# Altium PCB ESP32-SIM800C routed.PcbDoc (part 2 of 2)
Units mm, origin at the board's own origin, x right, y up, seen from the top; angles counter-clockwise.
Board outline 160.02 x 86.36 mm, 4 copper layers (L1 (TOP), L2 (PWR), L3 (GND), L4 (BOTTOM)), stack 1.586 mm thick; 149 components, 93 nets, 484 pads, 190 vias.
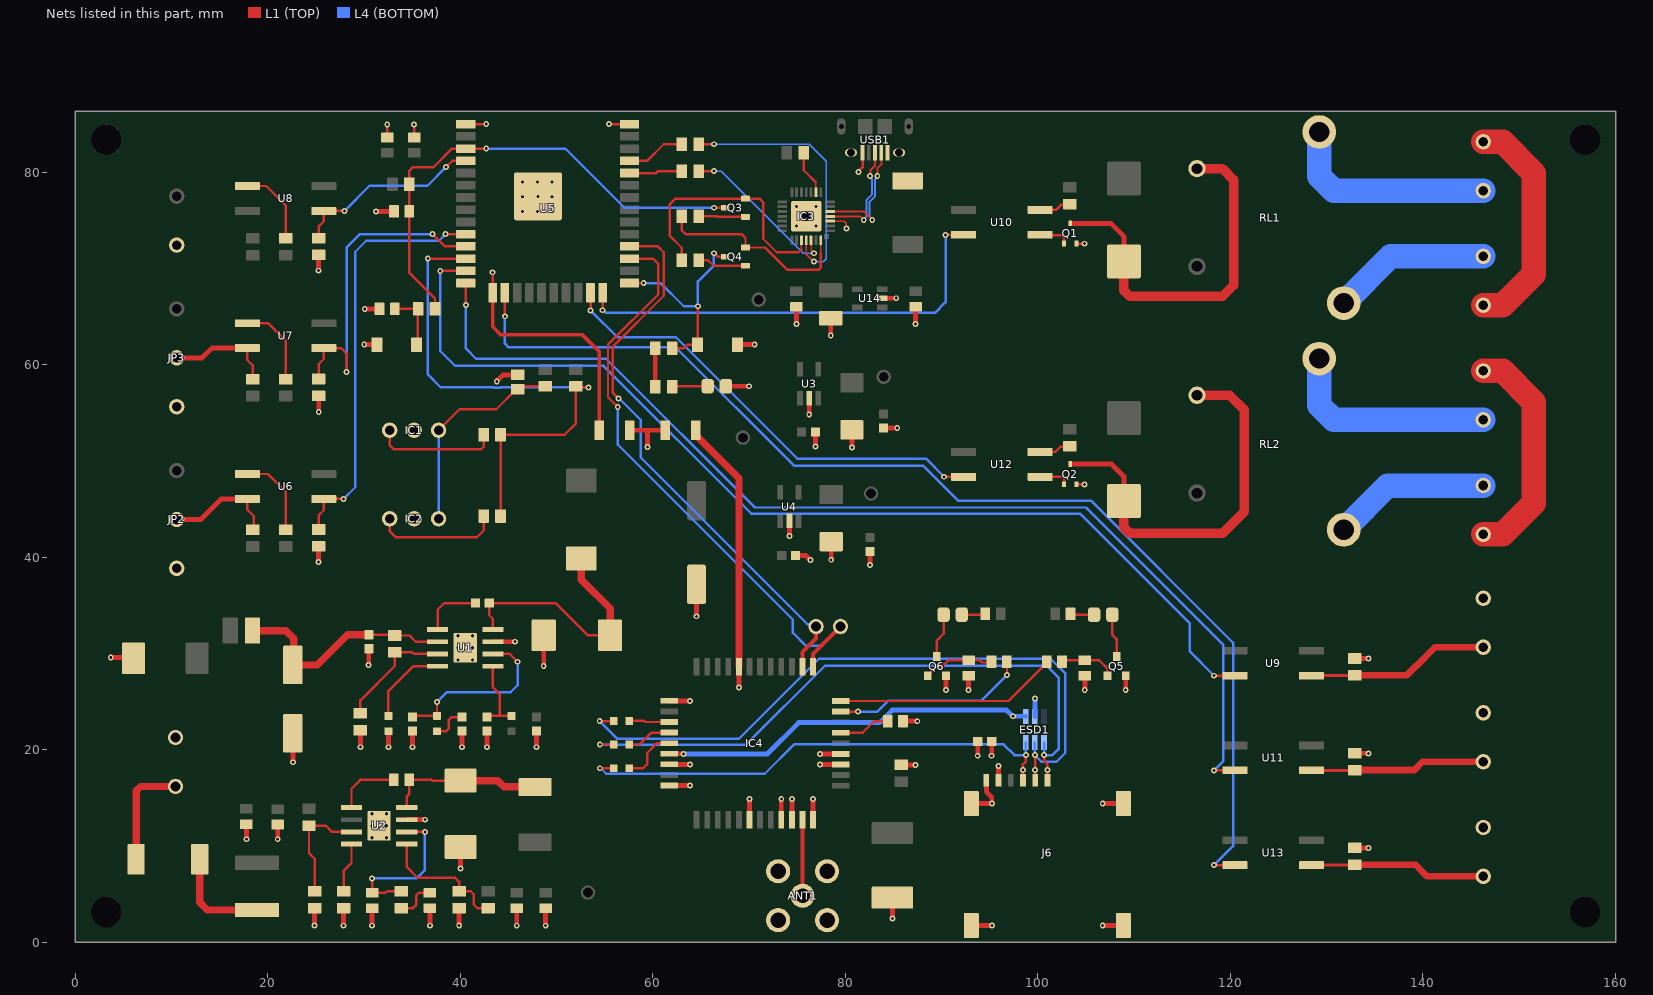
[diagram p4: the nets of this part, all layers, seen from the top]

## Via types
v1: diameter 0.61, hole 0.305, L1 (TOP) to L4 (BOTTOM), tented both sides, 190 vias

## Nets (pads, with @x,y where several pads share a name; then routed paths per layer and width w, separated by ;. In a path a pad name is that pad's centre, name@x,y a point inside that pad or via, vN(x,y) a via of type N, cw(c..) or ccw(c..) an arc to the next point about the centre after c; other vN are vias at no path point) (continued)
D_N: IC3.5 USB1.2 | length 12.3
  L1 (TOP) w0.208: IC3.5@78.446,75.938 78.45,75.942 81.919,75.942 v1(82.804,75.057) ; v1(83.326,79.629) 83.326,80.424 83.743,80.84 USB1.2@83.743,82.06
  L4 (BOTTOM) w0.208: v1(82.804,75.057) 82.804,75.102 82.527,75.38 82.527,76.963 83.106,77.542 83.106,79.306 83.326,79.527 v1(83.326,79.629)
D_P: IC3.4 USB1.3 | length 11.3
  L1 (TOP) w0.208: IC3.4@78.446,75.438 81.534,75.438 v1(81.915,75.057) ; v1(82.55,79.629) 82.618,79.697 82.618,80.245 83.093,80.72 USB1.3@83.093,82.06
  L4 (BOTTOM) w0.208: v1(81.915,75.057) 81.915,75.102 82.192,75.38 82.192,77.102 82.771,77.681 82.771,79.306 82.55,79.527 v1(82.55,79.629)
DGND: C21.1 C22.1 C23.1 C24.2 L4.1 SW1.1 U5.1 U5.15 U5.38 U5.39 | length 37.6
  L1 (TOP) w0.254: v1(32.41,84.988) 32.41,83.655 C21.1@32.436,83.629 ; v1(35.204,84.963) 35.204,83.655 C22.1@35.23,83.629 ; U5.1@40.579,85.014 v1(42.697,85.014) ; U5.15@43.364,67.504 v1(43.364,69.622) ; v1(55.461,85.014) U5.38@57.579,85.014
  L1 (TOP) w0.381: U5.15@43.364,67.504 43.364,63.951 44.196,63.119 52.705,63.119 54.432,61.392 L4.1@54.432,53.213
  L1 (TOP) w0.508: v1(30.023,62.128) 30.035,62.116 31.313,62.116 SW1.1@31.326,62.103 ; v1(30.074,65.811) C24.2@31.603,65.811 ; v1(31.242,75.946) C23.1@33.108,75.946
  other v1: 46.482,75.946 48.006,75.946 49.53,75.946 46.482,77.47 49.53,77.47 48.079,77.514 46.482,78.994 48.006,78.994 49.53,78.994
EN: C23.2 Q3.3 R13.2 R14.2 U5.3 | length 51.8
  L1 (TOP) w0.254: R14.2@37.375,65.811 37.375,66.892 34.708,69.559 C23.2@34.708,75.946 R13.2@34.708,78.765 34.708,80.174 35.052,80.518 37.186,80.518 39.141,82.474 U5.3@40.579,82.474 v1(42.697,82.474) ; v1(66.37,76.327) Q3.3@67.53,76.327
  L4 (BOTTOM) w0.254: v1(42.697,82.474) 50.902,82.474 57.048,76.327 v1(66.37,76.327)
IO0: Q4.3 R33.2 SW2.1 U5.25 | length 22.4
  L1 (TOP) w0.254: U5.25@57.579,68.504 v1(59.055,68.504) ; R33.2@62.005,61.722 63.195,61.722 63.576,62.103 SW2.1@64.643,62.103 64.694,62.154 v1(64.694,66.091) ; v1(66.345,71.603) 66.37,71.577 66.396,71.577 66.726,71.247 Q4.3@67.53,71.247
  L4 (BOTTOM) w0.254: v1(59.055,68.504) 60.808,68.504 63.221,66.091 v1(64.694,66.091) 64.694,68.682 66.345,70.333 v1(66.345,71.603)
NetANT1_1: ANT1.1 IC4.32 | length 7.9
  L1 (TOP) w0.381: IC4.32@75.551,12.751 75.558,12.744 75.558,4.858 ANT1.1@75.565,4.851
NetC1_1: C1.1 U1.1 | length 6.3
  L1 (TOP) w0.254: U1.1@37.638,32.512 37.638,34.565 38.329,35.255 C1.1@41.566,35.255
NetC1_2: C1.2 D1.2 L1.1 U1.8 | length 26.1
  L1 (TOP) w0.254: U1.8@43.388,32.512 43.388,33.625 43.016,33.997 C1.2@43.016,35.255 49.911,35.255 53.264,31.902 D1.2@55.571,31.902
  L1 (TOP) w0.762: L1.1@52.578,39.892 52.578,37.694 55.571,34.701 D1.2@55.571,31.902
NetC2_1: C2.1 C3.2 L2.2 R2.2 U1.2 | length 24
  L1 (TOP) w0.254: C3.2@30.505,31.963 30.509,31.96 33.127,31.96 R2.2@33.198,31.888 34.71,31.888 35.357,31.242 U1.2@37.638,31.242
  L1 (TOP) w0.762: L2.2@18.415,32.385 21.869,32.385 22.682,31.572 22.682,28.899 C2.1@22.606,28.823 25.14,28.823 28.28,31.963 C3.2@30.505,31.963
NetC6_2: C6.2 R3.2 U1.6 | length 18.5
  L1 (TOP) w0.254: C6.2@35.026,23.408 35.151,23.533 R3.2@37.581,23.533 37.581,24.928 37.567,24.943 v1(37.567,24.968) ; U1.6@43.388,29.972 45.136,29.972 v1(45.949,29.159)
  L4 (BOTTOM) w0.254: v1(37.567,24.968) 38.608,26.01 45.237,26.01 45.949,26.721 v1(45.949,29.159)
NetC7_2: C7.2 R3.1 | length 3.7
  L1 (TOP) w0.254: R3.1@37.581,21.933 38.519,21.933 38.811,22.225 38.811,23.114 39.105,23.408 C7.2@40.187,23.408
NetC8_1: C8.1 D3.2 L3.1 U2.8 | length 16.4
  L1 (TOP) w0.254: U2.8@34.447,14.021 34.447,15.169 34.684,15.405 C8.1@34.684,16.891 36.982,16.891 37.063,16.81 D3.2@40.03,16.81
  L1 (TOP) w0.762: D3.2@40.03,16.81 43.896,16.81 44.221,16.485 44.547,16.159 L3.1@47.777,16.159
NetC8_2: C8.2 U2.1 | length 6.7
  L1 (TOP) w0.254: U2.1@28.697,14.021 28.697,15.972 29.616,16.891 C8.2@33.084,16.891
NetC13_2: C13.2 R9.2 U2.6 | length 16.3
  L1 (TOP) w0.254: v1(30.836,6.655) 30.842,6.648 C13.2@30.842,5.155 32.231,5.155 32.396,5.32 R9.2@33.877,5.32 ; U2.6@34.447,11.481 v1(36.322,11.481)
  L4 (BOTTOM) w0.254: v1(30.836,6.655) 35.458,6.655 36.322,7.518 v1(36.322,11.481)
NetC14_2: C14.2 R9.1 | length 4.2
  L1 (TOP) w0.254: R9.1@33.877,3.57 35.091,3.57 35.408,3.886 35.408,4.877 35.686,5.155 C14.2@36.851,5.155
NetC24_1: C24.1 R14.1 SW1.2 | length 6.2
  L1 (TOP) w0.254: C24.1@33.203,65.811 R14.1@35.625,65.811 35.56,65.747 35.56,62.187 SW1.2@35.476,62.103
NetC25_1: C25.1 IC1.1 IC2.1 R21.1 | length 22.2
  L1 (TOP) w0.254: IC1.1@37.744,53.213 39.929,55.397 43.736,55.397 45.799,57.46 C25.1@45.949,57.46 46.262,57.774 R21.1@48.821,57.774
  L4 (BOTTOM) w0.254: IC2.1@37.744,44.018 IC1.1@37.744,53.213
NetD4_1: D4.1 JP1.1 | length 11.4
  L1 (TOP) w0.762: D4.1@6.325,8.636 6.325,15.748 6.782,16.205 JP1.1@10.414,16.205
NetD4_2: D4.2 F1.1 | length 10.7
  L1 (TOP) w0.762: D4.2@12.929,8.636 12.929,4.166 13.728,3.367 F1.1@18.872,3.367
NetD5_1: D5.1 Q1.3 RL1.2 | length 39.1
  L1 (TOP) w0.508: Q1.3@103.378,74.71 107.586,74.71 108.948,73.348 D5.1@108.948,70.752
  L1 (TOP) w1: D5.1@108.948,70.752 108.948,67.718 109.534,67.132 119.202,67.132 120.345,68.275 120.345,79.223 119.177,80.391 RL1.2@116.543,80.391
NetD6_1: D6.1 Q2.3 RL2.2 | length 41.2
  L1 (TOP) w0.508: Q2.3@103.378,49.691 107.662,49.691 108.948,48.405 D6.1@108.948,45.86
  L1 (TOP) w1: D6.1@108.948,45.86 108.948,43.122 109.55,42.52 119.228,42.52 121.437,44.729 121.437,55.347 119.939,56.845 RL2.2@116.543,56.845
NetD8_1: D8.1 R34.2 | length 3.7
  L1 (TOP) w0.254: R34.2@62.005,57.739 62.051,57.785 D8.1@65.699,57.785
NetESD1_4: ESD1.4 J6.3 R42.2 | length 66.2
  L1 (TOP) w0.254: v1@54.508,20.561 R42.2@55.944,20.561 ; v1(100.655,19.456) 100.655,18.852 100.995,18.512 v1(100.995,17.927) ; J6.3@101,16.849 v1@101,17.922
  L4 (BOTTOM) w0.254: v1(54.496,20.549) 69.692,20.549 77.87,28.727 100.94,28.727 102.159,27.508 102.159,20.091 101.524,19.456 v1(100.655,19.456) ; v1@100.65,19.462 ESD1.4@100.65,20.764
NetESD1_5: ESD1.5 J6.7 R43.2 | length 70.7
  L1 (TOP) w0.254: v1(54.483,22.987) 54.496,23 55.931,23 R43.2@55.944,23.012 ; v1(99.705,19.456) 99.715,19.446 99.715,17.937 v1(99.725,17.927) ; J6.7@99.73,16.849 v1@99.73,17.922
  L4 (BOTTOM) w0.254: v1(54.483,22.987) 56.318,21.152 68.93,21.152 77.241,29.464 101.346,29.464 102.87,27.94 102.87,19.71 101.93,18.771 100.371,18.771 99.705,19.437 v1(99.705,19.456) ; v1@99.7,19.462 ESD1.5@99.7,20.764 ; v1@99.713,17.94 v1(99.725,17.927)
NetESD1_6: ESD1.6 J6.2 R41.2 | length 51.7
  L1 (TOP) w0.254: v1@54.508,18.11 R41.2@55.944,18.11 ; J6.2@98.46,16.849 98.455,16.854 98.455,17.927 v1(98.45,17.932) 98.45,18.491 98.755,18.796 v1(98.755,19.456)
  L4 (BOTTOM) w0.254: v1(54.496,18.097) 54.592,18.097 55.163,17.526 71.628,17.526 74.676,20.574 96.444,20.574 97.561,19.456 v1(98.755,19.456) 98.75,19.462 98.75,20.764 ESD1.6@98.745,20.77
NetIC1_3: IC1.3 R25.1 | length 12.8
  L1 (TOP) w0.254: IC1.3@32.664,53.213 32.664,51.664 33.071,51.257 42.189,51.257 42.432,51.5 R25.1@42.432,52.756
NetIC2_3: IC2.3 R26.1 | length 13.1
  L1 (TOP) w0.254: IC2.3@32.664,44.018 32.664,42.748 33.325,42.088 41.707,42.088 42.432,42.813 R26.1@42.432,44.298
NetIC3_9: IC3.9 R37.2 | length 4.6
  L1 (TOP) w0.152: IC3.9@76.946,77.938 76.946,78.959
  L1 (TOP) w0.254: R37.2@75.678,82.042 75.678,80.227 76.946,78.959
NetIC3_25: IC3.25 R36.2 | length 28
  L1 (TOP) w0.152: IC3.25@75.946,72.938 75.946,71.517 76.724,70.739 v1(76.759,70.739)
  L1 (TOP) w0.254: R36.2@64.771,82.931 v1(66.345,82.931)
  L4 (BOTTOM) w0.152: v1(66.345,82.931) 76.251,82.931 78.003,81.178 78.003,71.044 77.699,70.739 v1(76.759,70.739)
NetIC3_26: IC3.26 R35.2 | length 17
  L1 (TOP) w0.152: IC3.26@76.446,72.938 76.446,71.918 76.759,71.605 v1(76.759,71.603)
  L1 (TOP) w0.254: R35.2@64.771,80.137 v1(66.345,80.137)
  L4 (BOTTOM) w0.152: v1(66.345,80.137) 67.107,80.137 75.641,71.603 v1(76.759,71.603)
NetIC4_39: IC4.39 R40.1 | length 5.4
  L1 (TOP) w0.254: IC4.39@79.523,21.785 81.805,21.785 83.007,22.987 R40.1@84.4,22.987
NetJP5_1: JP5.1 JP6.2 | length 23.7
  L1 (TOP) w2.54: JP6.2@146.283,66.199 148.317,66.199 151.536,69.418 151.536,79.934 148.285,83.185 JP5.1@146.283,83.185
NetJP5_2: JP5.2 RL1.3 | length 22.3
  L4 (BOTTOM) w2.54: RL1.3@129.243,84.201 129.243,79.593 130.73,78.105 JP5.2@146.283,78.105
NetJP6_1: JP6.1 RL1.4 | length 16.5
  L4 (BOTTOM) w2.54: RL1.4@131.783,66.421 136.641,71.279 JP6.1@146.283,71.279
NetJP7_1: JP7.1 JP8.2 | length 23.7
  L1 (TOP) w2.54: JP8.2@146.283,42.388 148.317,42.388 151.536,45.607 151.536,56.122 148.285,59.373 JP7.1@146.283,59.373
NetJP7_2: JP7.2 RL2.3 | length 22.5
  L4 (BOTTOM) w2.54: RL2.3@129.243,60.655 129.243,55.781 130.73,54.293 JP7.2@146.283,54.293
NetJP8_1: JP8.1 RL2.4 | length 16.4
  L4 (BOTTOM) w2.54: RL2.4@131.783,42.875 136.375,47.468 JP8.1@146.283,47.468
NetLED1_1: LED1.1 R44.2 | length 2.5
  L1 (TOP) w0.254: R44.2@103.401,34.135 103.487,34.049 LED1.1@105.842,34.049
NetLED1_2: LED1.2 Q5.3 | length 4.5
  L1 (TOP) w0.254: LED1.2@107.742,34.049 107.742,31.958 108.189,31.511 Q5.3@108.189,29.702
NetLED2_1: LED2.1 R45.2 | length 2.5
  L1 (TOP) w0.254: LED2.1@92.111,34.049 94.466,34.049 R45.2@94.552,34.135
NetLED2_2: LED2.2 Q6.3 | length 4.6
  L1 (TOP) w0.254: Q6.3@89.51,29.702 89.51,31.369 90.211,32.07 LED2.2@90.211,34.049
NETLIGHT: IC4.41 R47.1 | length 20.2
  L1 (TOP) w0.254: IC4.41@79.523,23.985 79.526,23.981 81.302,23.981 v1(81.305,23.978) ; R47.1@96.787,29.172 96.799,29.159 v1(96.799,27.788)
  L4 (BOTTOM) w0.254: v1(81.305,23.978) 83.337,23.978 84.455,25.095 94.107,25.095 v1(96.799,27.788)
NetQ1_1: Q1.1 U10.3 | length 3.2
  L1 (TOP) w0.254: U10.3@100.241,73.508 100.267,73.482 102.438,73.482 102.728,73.192 Q1.1@102.728,72.61
NetQ2_1: Q2.1 U12.3 | length 3.1
  L1 (TOP) w0.254: U12.3@100.241,48.362 102.108,48.362 102.489,48.362 102.728,48.123 Q2.1@102.728,47.591
NetQ3_2: Q3.2 R38.1 | length 4.9
  L1 (TOP) w0.254: R38.1@64.756,75.438 66.65,75.438 66.711,75.377 Q3.2@69.63,75.377
NetQ4_2: Q4.2 R39.1 | length 5.1
  L1 (TOP) w0.254: R39.1@64.756,70.866 65.761,70.866 66.33,70.297 Q4.2@69.63,70.297
NetQ5_1: Q5.1 R46.2 R48.1 | length 5.9
  L1 (TOP) w0.254: R46.2@102.512,29.172 102.642,29.302 R48.1@104.887,29.302 106.385,29.302 107.239,28.448 Q5.1@107.239,27.702
NetQ6_1: Q6.1 R47.2 R49.1 | length 7.4
  L1 (TOP) w0.254: Q6.1@88.56,27.702 88.56,27.712 89.448,28.6 89.992,28.6 90.694,29.302 R49.1@92.812,29.302 93.99,29.302 94.209,29.083 95.098,29.083 R47.2@95.187,29.172
NetR1_1: R1.1 R4.2 U1.5 | length 8.1
  L1 (TOP) w0.254: R4.2@42.768,23.408 42.893,23.533 44.109,23.533 ; U1.5@43.388,28.702 43.388,26.487 44.109,25.767 44.109,23.533 ; R1.1@45.324,23.533 44.109,23.533
NetR2_1: R2.1 R5.2 U1.3 | length 12.3
  L1 (TOP) w0.254: R5.2@29.616,23.798 29.616,25.146 33.198,28.727 R2.1@33.198,30.138 35.013,30.138 35.179,29.972 U1.3@37.638,29.972
NetR6_1: R6.1 U1.4 | length 8.8
  L1 (TOP) w0.254: R6.1@32.537,23.533 32.537,26.111 35.128,28.702 U1.4@37.638,28.702
NetR7_1: R7.1 R10.2 U2.5 | length 13.8
  L1 (TOP) w0.254: U2.5@34.447,10.211 34.447,7.844 35.585,6.706 39.472,6.706 39.886,6.291 R10.2@39.886,5.32 41.086,5.32 41.402,5.004 41.402,3.937 41.769,3.57 R7.1@42.89,3.57
NetR8_1: R8.1 R11.2 U2.3 | length 11.7
  L1 (TOP) w0.254: R11.2@24.863,5.32 24.863,8.69 24.282,9.271 R8.1@24.282,12.13 24.296,12.116 26.035,12.116 26.67,11.481 U2.3@28.697,11.481
NetR12_1: R12.1 U2.4 | length 5.2
  L1 (TOP) w0.254: R12.1@27.878,5.305 27.878,7.431 28.697,8.25 U2.4@28.697,10.211
NetR16_1: R16.1 U6.1 | length 8.7
  L1 (TOP) w0.254: U6.1@17.869,48.666 20.016,48.666 21.862,46.82 R16.1@21.862,42.886
NetR18_1: R18.1 U7.1 | length 8.7
  L1 (TOP) w0.254: U7.1@17.869,64.338 20.041,64.338 21.862,62.517 R18.1@21.862,58.518
NetR19_2: R19.2 U5.10 U6.3 | length 43.9
  L1 (TOP) w0.254: R19.2@25.273,42.901 25.273,44.348 25.819,44.894 U6.3@25.819,46.076 v1(27.864,46.076) ; v1(38.481,73.584) U5.10@40.579,73.584
  L4 (BOTTOM) w0.254: v1(27.864,46.076) 29.083,47.295 29.083,71.755 30.226,72.898 37.795,72.898 v1(38.481,73.584)
NetR20_2: R20.2 U5.11 U7.3 | length 34.4
  L1 (TOP) w0.254: R20.2@25.273,58.533 25.273,60.071 25.819,60.617 U7.3@25.819,61.748 27.635,61.748 28.194,61.189 v1(28.194,59.258) ; v1@37.109,73.615 38.41,72.314 U5.11@40.579,72.314
  L4 (BOTTOM) w0.254: v1(28.194,59.258) 28.194,72.187 29.591,73.584 v1(37.109,73.584)
NetR23_1: R23.1 U8.1 | length 8.2
  L1 (TOP) w0.254: U8.1@17.869,78.587 19.838,78.587 21.862,76.563 R23.1@21.862,73.163
NetR24_1: R24.1 R25.2 R26.2 U5.12 | length 55.3
  L1 (TOP) w0.254: v1(36.627,71.044) U5.12@40.579,71.044 ; R26.2@44.182,44.298 R25.2@44.182,52.756 50.851,52.756 52.019,53.924 R24.1@52.019,57.774 52.135,57.658 v1(53.34,57.658)
  L4 (BOTTOM) w0.254: v1(36.627,71.044) 36.627,59.004 37.973,57.658 43.457,57.658 43.508,57.607 44.076,57.607 44.127,57.658 v1(53.34,57.658)
NetR27_2: R27.2 U5.4 U8.3 | length 20
  L1 (TOP) w0.254: R27.2@25.273,73.178 25.273,74.371 25.819,74.917 U8.3@25.819,75.997 v1(27.965,75.997) ; v1(38.506,80.543) 39.167,81.204 U5.4@40.579,81.204
  L4 (BOTTOM) w0.254: v1(27.965,75.997) 30.582,78.613 36.576,78.613 v1(38.506,80.543)
NetR28_1: R28.1 U10.4 | length 3.3
  L1 (TOP) w0.254: U10.4@100.241,76.098 101.879,76.098 102.406,76.625 103.255,76.625 R28.1@103.338,76.708
NetR30_1: R30.1 U12.4 | length 3.3
  L1 (TOP) w0.254: U12.4@100.241,50.952 101.803,50.952 102.337,51.486 103.262,51.486 R30.1@103.338,51.562
NetR35_1: R35.1 U5.34 | length 5.5
  L1 (TOP) w0.254: U5.34@57.579,79.934 60.325,79.934 60.528,80.137 R35.1@63.021,80.137
NetR36_1: R36.1 U5.35 | length 6.2
  L1 (TOP) w0.254: U5.35@57.579,81.204 59.411,81.204 61.138,82.931 R36.1@63.021,82.931
NetU5_13: U5.13 U9.2 | length 109.2
  L1 (TOP) w0.254: v1(37.922,69.774) U5.13@40.579,69.774 ; v1(118.313,27.711) 118.317,27.715 120.488,27.715 U9.2@120.492,27.72
  L4 (BOTTOM) w0.254: v1(37.922,69.774) 37.922,61.443 39.472,59.893 54.889,59.893 70.231,44.552 104.394,44.552 115.799,33.147 115.799,30.226 v1(118.313,27.711)
NetU5_14: U5.14 U11.2 | length 113.8
  L1 (TOP) w0.254: v1(40.579,66.205) U5.14@40.579,68.504 ; v1@118.317,17.873 U11.2@120.488,17.873
  L4 (BOTTOM) w0.254: v1(40.579,66.205) 40.579,61.707 41.656,60.63 55.169,60.63 70.612,45.187 105.004,45.187 119.253,30.937 119.253,18.809 v1(118.313,17.869)
NetU5_16: U5.16 U13.2 | length 119.9
  L1 (TOP) w0.254: v1(44.628,65.049) 44.628,67.498 U5.16@44.634,67.504 ; v1@118.317,8.03 U13.2@120.488,8.03
  L4 (BOTTOM) w0.254: v1(44.628,65.049) 44.628,62.205 45.009,61.824 62.382,61.824 74.676,49.53 88.087,49.53 91.745,45.872 105.562,45.872 120.294,31.14 120.294,10.008 v1(118.313,8.026)
NetU5_23: U5.23 U12.2 | length 47.7
  L1 (TOP) w0.254: U5.23@53.524,67.504 53.543,67.485 v1(53.543,65.659) ; v1(90.259,48.375) U12.2@92.278,48.375
  L4 (BOTTOM) w0.254: v1(53.543,65.659) 56.312,62.89 62.382,62.89 75.006,50.267 88.367,50.267 v1(90.259,48.375)
NetU5_24: U5.24 U10.2 | length 46.9
  L1 (TOP) w0.254: v1(54.794,65.678) U5.24@54.794,67.504 ; v1(90.424,73.508) U10.2@92.291,73.508
  L4 (BOTTOM) w0.254: v1(54.794,65.678) 54.847,65.678 55.121,65.405 89.306,65.405 90.424,66.523 v1(90.424,73.508)
OUT1: JP9.2 R29.2 U9.3 | length 19.1
  L1 (TOP) w0.3: U9.3@128.442,27.72 132.912,27.72 R29.2@132.944,27.751
  L1 (TOP) w0.7: R29.2@132.944,27.751 138.317,27.751 139.294,28.727 139.344,28.727 141.29,30.673 JP9.2@146.283,30.673
OUT2: JP10.2 R31.2 U11.3 | length 18.2
  L1 (TOP) w0.3: U11.3@128.442,17.877 132.912,17.877 R31.2@132.944,17.908
  L1 (TOP) w0.7: R31.2@132.944,17.908 139.117,17.908 139.978,18.769 JP10.2@146.283,18.769
OUT3: JP11.2 R32.2 U13.3 | length 18.4
  L1 (TOP) w0.3: U13.3@128.442,8.035 132.912,8.035 R32.2@132.944,8.066
  L1 (TOP) w0.7: R32.2@132.944,8.066 139.254,8.066 140.456,6.864 JP11.2@146.283,6.864
PGND: C2.2 C3.1 C4.2 C5.1 C6.1 C7.1 C9.1 C10.1 C11.1 C12.1 C13.1 C14.1 C15.2 C16.1 C17.1 C18.2 C19.1 C20.1 C25.2 C26.2 C27.1 C28.1 D1.1 D2.1 D3.1 D8.2 IC1.2 IC2.2 IC3.3 IC3.29 JP1.2 JP2.1 JP3.1 JP4.1 JP9.1 JP10.1 JP11.1 L4.2 L5.2 Q1.2 Q2.2 R4.1 R5.1 R6.2 R10.1 R11.1 R12.2 R19.1 R20.1 R27.1 R29.1 R31.1 R32.1 SW2.2 U1.7 U1.9 U2.7 U2.9 U3.2 U4.2 U14.2 USB1.5 USB1.6 USB1.7 | length 93.2
  L1 (TOP) w0.152: IC3.3@78.466,74.918 IC3.3@78.446,74.938 79.875,74.938 80.112,74.701 80.112,74.193 v1(80.137,74.168)
  L1 (TOP) w0.254: D2.1@5.988,29.591 D2.1@6.064,29.515 ; R20.1@25.273,56.783 R20.1@25.298,56.758 ; v1(81.382,80.035) 81.382,80.132 81.793,80.543 USB1.5@81.793,82.06 ; Q2.2@104.028,47.591 104.834,47.591 v1(104.851,47.574) ; Q1.2@104.028,72.61 v1@104.834,72.61
  L1 (TOP) w0.508: v1(3.683,29.591) D2.1@5.988,29.591 ; v1(17.78,10.719) C10.1@17.78,12.281 ; v1(21.031,10.719) C11.1@21.031,12.239 ; C2.2@22.606,21.723 22.631,21.698 v1(22.631,18.72) ; R11.1@24.863,3.57 24.863,1.756 v1(24.867,1.753) ; v1(25.273,39.511) R19.1@25.273,41.151 ; v1(25.273,69.789) R27.1@25.273,71.428 ; v1(25.298,55.118) R20.1@25.298,56.758 ; v1@27.878,1.741 R12.2@27.878,3.555 ; v1(29.616,20.281) R5.1@29.616,22.048 ; v1(30.48,28.804) 30.493,28.816 30.493,30.501 C3.1@30.505,30.513 ; v1@30.842,1.741 C13.1@30.842,3.555 ; v1(32.537,20.281) R6.2@32.537,21.933 ; U2.7@34.447,12.751 v1(36.347,12.751) ; v1@35.026,20.306 C6.1@35.026,21.958 ; v1@36.851,1.741 C14.1@36.851,3.555 ; v1@39.886,1.756 R10.1@39.886,3.57 ; v1(40.005,7.696) 40.005,9.885 D3.1@40.03,9.91 ; v1(40.187,20.281) C7.1@40.187,21.958 ; v1(42.768,20.281) R4.1@42.768,21.958 ; U1.7@43.388,31.242 v1(45.669,31.242) ; v1(43.792,58.293) 44.455,58.957 45.945,58.957 C25.2@45.949,58.96 ; v1@45.865,1.741 C9.1@45.865,3.555 ; v1(47.93,20.281) C5.1@47.93,21.958 ; v1(48.666,28.727) 48.671,28.732 D1.1@48.671,31.902 ; v1@48.87,1.741 C12.1@48.87,3.555 ; L4.2@57.616,53.213 59.453,53.213 ; v1(59.436,51.486) 59.453,51.503 59.453,53.213 ; L5.2@61.29,53.213 59.453,53.213 ; v1(64.541,33.884) C4.2@64.541,37.204 ; D8.2@67.599,57.785 v1(70.002,57.785) ; SW2.2@68.793,62.103 v1(70.587,62.103) ; v1(74.193,42.24) U4.2@74.193,43.788 ; C19.1@74.843,40.185 75.918,40.185 v1(76.378,39.726) ; v1(74.93,64.25) C27.1@74.93,66.044 ; v1(76.251,54.839) U3.2@76.251,56.539 ; C16.1@76.901,53.038 76.906,53.032 76.906,51.516 v1(76.911,51.511) ; v1(78.486,63.05) C26.2@78.486,64.844 ; v1(78.537,39.751) C18.2@78.537,41.64 ; C15.2@80.682,53.255 80.696,53.241 v1(80.696,51.41) ; v1(82.55,39.218) v1(82.55,39.218) 82.551,40.625 C20.1@82.552,40.626 ; U14.2@83.85,66.919 83.855,66.924 85.288,66.924 v1(85.293,66.929) ; C17.1@83.984,53.456 83.991,53.449 85.388,53.449 v1(85.395,53.442) ; v1(87.3,64.25) C28.1@87.3,66.044 ; R32.1@132.951,9.809 v1@134.347,9.809 ; R31.1@132.951,19.651 v1@134.347,19.651 ; R29.1@132.951,29.494 v1@134.347,29.494
  other v1: 27.881,1.738 30.846,1.738 36.855,1.738 45.868,1.738 48.873,1.738 39.889,1.753 134.354,9.802 134.354,19.644 35.026,20.281 134.354,29.487 104.851,72.593 74.93,74.422 76.962,74.422 74.93,76.454 76.962,76.454
SENSOR1: JP2.2 R15.1 U6.2 | length 11.7
  L1 (TOP) w0.254: U6.2@17.869,46.076 17.869,44.971 18.542,44.298 18.542,42.987 R15.1@18.44,42.886
  L1 (TOP) w0.508: JP2.2@10.541,43.942 13.056,43.942 15.19,46.076 U6.2@17.869,46.076
SENSOR2: JP3.2 R17.1 U7.2 | length 11.2
  L1 (TOP) w0.254: U7.2@17.869,61.748 17.869,60.515 18.44,59.944 R17.1@18.44,58.518
  L1 (TOP) w0.508: JP3.2@10.541,60.736 13.162,60.736 14.174,61.748 U7.2@17.869,61.748
SGND: ANT1.2 ANT1.3 ANT1.4 ANT1.5 C29.2 C30.2 C31.2 ESD1.2 IC4.8 IC4.13 IC4.19 IC4.21 IC4.27 IC4.30 IC4.31 IC4.33 IC4.36 IC4.37 J6.5 L5.1 Q5.2 Q6.2 R40.2 R48.2 R49.2 | length 73.5
  L1 (TOP) w0.508: IC4.21@61.701,16.301 v1(63.85,16.301) ; IC4.19@61.701,18.501 v1(63.85,18.501) ; IC4.13@61.701,25.101 v1(63.85,25.101) ; IC4.8@68.951,28.651 68.961,28.641 v1(68.961,26.492) ; IC4.27@70.051,12.751 v1(70.051,14.9) ; IC4.30@73.351,12.751 v1(73.351,14.9) ; IC4.31@74.451,12.751 v1(74.451,14.9) ; IC4.33@76.651,12.751 v1(76.651,14.9) ; v1(77.374,18.485) IC4.36@79.523,18.485 ; v1(77.374,19.585) IC4.37@79.523,19.585 ; v1(84.887,2.502) C30.2@84.887,4.651 ; C29.2@85.801,18.452 v1@87.276,18.452 ; R40.2@86,22.987 v1@87.474,22.987 ; v1@90.46,26.227 Q6.2@90.46,27.702 ; v1@92.812,26.227 R49.2@92.812,27.702 ; J6.5@93.09,1.744 v1(95.24,1.744) ; J6.5@93.09,14.424 v1(95.24,14.424) 95.22,14.443 95.22,15.092 94.65,15.662 J6.5@94.65,16.849 ; v1@93.763,19.404 C31.2@93.763,20.879 ; v1@104.887,26.227 R48.2@104.887,27.702 ; v1(106.741,1.744) J6.5@108.89,1.744 ; v1(106.741,14.424) J6.5@108.89,14.424 ; v1@109.139,26.227 Q5.2@109.139,27.702
  L1 (TOP) w0.762: L5.1@64.474,53.213 64.474,52.713 68.951,48.236 IC4.8@68.951,28.651
  L4 (BOTTOM) w0.508: ESD1.2@99.695,23.47 99.708,23.482 99.708,25.311 v1(99.72,25.324)
  other v1: 87.283,18.444 93.755,19.397 87.482,22.979 90.452,26.22 92.804,26.22 104.879,26.22 109.131,26.22
SIM-CLK: IC4.16 R42.1 | length 4.7
  L1 (TOP) w0.254: R42.1@57.544,20.561 58.636,20.561 59.876,21.801 IC4.16@61.701,21.801
SIM-DATA: IC4.15 R43.1 | length 4.2
  L1 (TOP) w0.254: R43.1@57.544,23.012 59.106,23.012 59.217,22.901 IC4.15@61.701,22.901
SIM-RST: IC4.17 R41.1 | length 5.9
  L1 (TOP) w0.254: R41.1@57.544,18.11 59.004,18.11 59.411,18.517 59.411,19.66 60.452,20.701 IC4.17@61.701,20.701
SIM-VDD: C31.1 ESD1.1 IC4.18 J6.1 | length 42.2
  L1 (TOP) w0.508: IC4.18@61.701,19.601 v1@63.176,19.601 ; v1@95.213,19.404 C31.1@95.213,20.879 ; J6.1@95.92,16.849 95.928,16.857 95.928,18.331 v1(95.936,18.339)
  L4 (BOTTOM) w0.508: v1(63.184,19.593) 71.917,19.593 75.159,22.835 83.566,22.835 84.861,24.13 96.747,24.13 97.382,23.495 98.72,23.495 ESD1.1@98.745,23.47
  other v1: 95.205,19.397 97.409,23.495
SIM_RX: GSM1.2 IC4.2 U5.28 | length 58.8
  L1 (TOP) w0.254: v1(56.439,56.515) 55.855,57.099 55.855,61.9 61.138,67.183 61.138,71.704 60.528,72.314 U5.28@57.579,72.314
  L1 (TOP) w0.381: IC4.2@75.551,28.651 75.551,30.162 76.962,31.572 GSM1.2@76.962,32.817
  L4 (BOTTOM) w0.254: v1(56.439,56.515) 56.52,56.515 58.75,54.284 58.75,50.368 76.051,33.068 76.711,33.068 GSM1.2@76.962,32.817
SIM_TX: GSM1.1 IC4.1 U5.27 | length 64
  L1 (TOP) w0.254: v1(56.358,55.626) 55.347,56.637 55.347,62.11 60.579,67.343 60.579,70.485 60.02,71.044 U5.27@57.579,71.044
  L1 (TOP) w0.381: IC4.1@76.651,28.651 76.651,29.966 GSM1.1@79.502,32.817
  L4 (BOTTOM) w0.254: v1(56.358,55.626) 56.358,51.719 74.552,33.525 74.552,32.179 75.917,30.814 77.499,30.814 GSM1.1@79.502,32.817 79.541,33.479 79.541,33.487 GSM1.1@79.541,33.502
STATUS: IC4.42 R46.1 | length 23.2
  L1 (TOP) w0.254: IC4.42@79.523,25.085 96.975,25.085 100.912,29.022 R46.1@100.912,29.172
USB3V3: R33.1 R34.1 | length 4
  L1 (TOP) w0.508: R34.1@60.255,57.739 R33.1@60.255,61.722
USB_DTR: IC3.28 Q4.1 R38.2 | length 21.1
  L1 (TOP) w0.152: 77.445,71.603 77.445,72.937 IC3.28@77.446,72.938
  L1 (TOP) w0.254: R38.2@63.006,75.438 63.006,73.976 63.398,73.584 69.215,73.584 69.63,73.169 Q4.1@69.63,72.197 71.661,72.197 73.983,69.875 77.216,69.875 77.445,70.104 77.445,71.603
USB_RTS: IC3.24 Q3.1 R39.2 | length 25.9
  L1 (TOP) w0.152: 75.446,71.992 IC3.24@75.446,72.938
  L1 (TOP) w0.254: R39.2@63.006,70.866 63.006,72.173 61.747,73.431 61.747,76.683 62.342,77.277 Q3.1@69.63,77.277 71.084,77.277 71.476,76.886 71.476,73.101 72.873,71.704 75.159,71.704 75.446,71.992
VCCUSB: D7.1 USB1.1
pads on no net: ESD1.3 hole1.1 hole2.1 hole3.1 hole4.1 IC3. IC3.1 IC3.2 IC3.10 IC3.11 IC3.12 IC3.13 IC3.14 IC3.15 IC3.16 IC3.17 IC3.18 IC3.19 IC3.20 IC3.21 IC3.22 IC3.23 IC3.27 IC4.3 IC4.4 IC4.5 IC4.6 IC4.7 IC4.9 IC4.10 IC4.11 IC4.12 IC4.14 IC4.20 IC4.22 IC4.23 IC4.24 IC4.25 IC4.26 IC4.28 IC4.29 IC4.38 IC4.40 J6.6 U3.4 U4.4 U5.5 U5.6 U5.7 U5.8 U5.9 U5.17 U5.18 U5.19 U5.20 U5.21 U5.22 U5.26 U5.29 U5.30 U5.31 U5.32 U5.33 U5.36 U5.37 U14.4 USB1. USB1.4 USB1.8 USB1.9

## Polygon pours and split planes (outlines as drawn)
3.3V_ESP on L1 (TOP) "3.3V_ESP_L01_P025" (solid, pour order 25): 77.953,77.089 79.883,77.089 80.188,77.394 80.823,77.394 80.975,77.241 80.975,76.657 80.62,76.302 77.953,76.302
PGND on L1 (TOP) "PGND_L01_P044" (solid, remove dead copper, pour order 44): 77.978,75.057 80.01,75.057 80.518,74.549 80.518,74.041 80.264,73.787 80.01,73.787 79.756,74.041 79.756,74.676 79.629,74.803 77.978,74.803
12V on L1 (TOP) "12V_L01_P043" (solid, pour order 43): 16.942,33.757 16.942,36.5 18.542,38.1 22.225,38.1 22.733,38.608 22.733,41.529 22.479,41.783 17.653,41.783 14.503,38.633 14.503,33.731 16.916,33.731
12V on L1 (TOP) "12V_L01_P041" (solid, pour order 41): 9.652,50.546 10.668,51.562 12.73,51.562 15.24,54.072 15.24,56.134 16.383,57.277 22.479,57.277 22.733,57.023 22.733,51.054 21.844,50.165 14.224,50.165 12.162,48.103 10.033,48.103 9.652,48.484
12V on L1 (TOP) "12V_L01_P040" (solid, pour order 40): 9.652,66.929 10.414,67.691 13.843,67.691 15.24,69.088 15.24,71.247 16.002,72.009 22.479,72.009 22.86,71.628 22.86,66.294 22.225,65.659 12.192,65.659 11.43,64.897 10.033,64.897 9.652,65.278
12V on L1 (TOP) "12V_L01_P039" (solid, pour order 39): 11.049,31.039 11.455,31.445 14.072,31.445 14.503,31.877 14.503,33.731 14.808,34.036 16.662,34.036 16.942,33.757 16.942,28.499 16.053,27.61 11.557,27.61 11.049,28.118
5V on L1 (TOP) "5V_L01_P021" (solid, pour order 21): 42.342,4.648 42.164,4.826 42.164,5.969 42.291,6.096 44.323,6.096 44.729,6.502 44.729,10.922 45.237,11.43 53.315,11.43 54.229,10.516 54.229,4.715 53.736,4.191 52.807,4.191 52.349,4.648
5V on L1 (TOP) "5V_L01_P037" (solid, pour order 37): 127.584,11.1 130.785,11.1 130.937,10.947 130.937,10.363 130.759,10.185 127.584,10.185
5V on L1 (TOP) "5V_L01_P036" (solid, pour order 36): 127.584,20.942 130.785,20.942 130.937,20.79 130.937,20.206 130.759,20.028 127.584,20.028
5V on L1 (TOP) "5V_L01_P035" (solid, pour order 35): 127.584,30.785 130.785,30.785 130.937,30.632 130.937,30.048 130.759,29.87 127.584,29.87
4.4V on L1 (TOP) "4.4V_L01_P034" (solid, pour order 34): 45.776,22.352 45.776,20.224 45.598,20.046 45.014,20.046 44.836,20.224 44.836,22.352
4.4V on L1 (TOP) "4.4V_L01_P033" (solid, pour order 33): 47.473,22.987 47.473,25.273 47.65,25.451 48.235,25.451 48.412,25.273 48.412,22.962 47.473,22.962 47.447,22.987
4.4V on L1 (TOP) "4.4V_L01_P032" (solid, pour order 32): 68.453,52.832 73.609,57.988 75.616,57.988 75.616,53.797 75.946,53.467 75.946,52.578 75.057,51.689 68.834,51.689 68.453,52.07
4.4V on L1 (TOP) "4.4V_L01_P017" (solid, pour order 17): 71.145,39.218 71.145,44.552 73.559,44.552 73.559,41.047 73.864,40.742 73.864,39.421 73.66,39.218
4.4V on L1 (TOP) "4.4V_L01_P018" (solid, pour order 18): 71.145,45.238 75.21,45.238 75.464,44.984 75.464,43.054 75.413,43.003 74.905,43.003 74.829,43.079 74.829,44.806 74.727,44.908 73.711,44.908 73.559,44.806 73.559,44.73 73.559,44.146 71.145,44.146
5V on L1 (TOP) "5V_L01_P031" (solid, pour order 31): 83.236,66.218 83.287,66.269 84.455,66.269 84.506,66.218 84.506,64.364 84.125,63.983 83.591,63.983 83.236,64.338
5V on L1 (TOP) "5V_L01_P030" (solid, pour order 30): 102.558,77.876 102.558,78.969 102.685,79.096 105.86,79.096 106.749,79.985 106.749,81.001 107.13,81.382 110.49,81.382 117.544,74.328 117.544,72.365 117.544,69.741 117.018,69.215 116.205,69.215 107.975,77.445 107.384,77.445 106.749,77.876
5V on L1 (TOP) "5V_L01_P029" (solid, pour order 29): 102.616,52.756 102.616,53.848 102.743,53.975 105.918,53.975 106.807,54.864 106.807,55.88 107.315,56.388 110.617,56.388 117.602,49.403 117.602,47.244 117.602,45.847 117.348,45.593 115.951,45.593 109.22,52.324 107.442,52.324 106.807,52.756
5V on L1 (TOP) "5V_L01_P028" (solid, pour order 28): 83.312,67.564 83.312,69.113 84.303,69.113 84.836,69.647 84.836,73.406 84.963,73.533 88.011,73.533 88.138,73.406 88.138,67.183 88.011,67.056 86.741,67.056 86.233,67.564
5V on L1 (TOP) "5V_L01_P024" (solid, pour order 24): 77.292,77.445 78.537,77.445 79.248,78.156 79.248,79.883 79.096,80.035 78.638,80.035 78.486,79.883 78.486,78.74 78.181,78.435 77.292,78.435
4.4V on L1 (TOP) "4.4V_L01_P020" (solid, pour order 20): 95.656,34.773 95.758,34.874 102.21,34.874 102.311,34.773 102.311,33.503 102.235,33.426 95.733,33.426 95.656,33.503
4.4V on L1 (TOP) "4.4V_L01_P019" (solid, pour order 19): 50.8,49.022 51.308,49.53 65.405,49.53 66.294,48.641 66.294,44.323 65.532,43.561 63.373,43.561 60.452,46.482 51.181,46.482 50.8,46.863
4.4V on L1 (TOP) "4.4V_L01_P016" (solid, pour order 16): 75.006,57.861 75.133,57.988 77.267,57.988 77.521,57.734 77.521,55.804 77.47,55.753 76.962,55.753 76.886,55.829 76.886,57.556 76.784,57.658 75.768,57.658 75.616,57.556 75.616,57.48 75.616,56.896 75.006,56.896
3.3V_ESP on L1 (TOP) "3.3V_ESP_L01_P012" (solid, pour order 12): 24.562,78.054 24.384,78.232 24.384,79.248 24.765,79.629 31.115,79.629 31.369,79.883 31.369,82.55 31.496,82.677 37.592,82.677 39.116,84.201 41.529,84.201 41.529,83.312 38.989,83.312 37.211,81.534 34.163,81.534 33.528,80.899 33.528,78.054
3.3V_ESP on L1 (TOP) "3.3V_ESP_L01_P010" (solid, pour order 10): 48.006,59.944 48.133,60.071 53.254,60.071 53.254,58.979 48.082,58.979 48.006,59.055
3.3V_ESP on L1 (TOP) "3.3V_ESP_L01_P009" (solid, pour order 9): 74.168,68.072 74.295,68.199 76.962,68.199 77.343,68.58 79.756,68.58 79.883,68.453 79.883,67.31 80.899,66.294 81.788,66.294 81.788,65.659 80.645,65.659 79.375,66.929 77.343,66.929 77.114,67.158 74.32,67.158 74.168,67.31
3.3V_ESP on L1 (TOP) "3.3V_ESP_L01_P008" (solid, pour order 8): 83.236,54.432 84.746,54.432 84.746,58.092 84.746,59.145 84.404,59.487 79.451,59.487 79.451,57.15 82.513,57.15 83.236,56.427
3.3V_ESP on L1 (TOP) "3.3V_ESP_L01_P007" (solid, pour order 7): 82.042,41.656 83.058,41.656 83.058,45.593 83.439,45.974 83.439,46.965 82.88,47.523 77.318,47.523 77.318,45.517 80.721,45.517 82.042,44.196
SIM-VDD on L1 (TOP) "SIM-VDD_L01_P005" (solid, pour order 5): 94.615,18.796 95.606,17.632 95.606,16.18 96.241,16.18 96.241,20.041 99.06,22.86 99.06,24.13 98.933,24.257 97.155,24.257 94.615,21.717 94.615,21.209 94.615,21.717 94.615,21.209
VCCUSB on L1 (TOP) "VCCUSB_L01_P004" (solid, pour order 4): 84.201,82.855 84.201,78.867 84.963,78.105 88.138,78.105 88.138,80.01 85.725,80.01 84.582,81.153 84.582,82.855
4.4V on L1 (TOP) "4.4V_L01_P002" (solid, pour order 2): 82.677,10.287 82.677,13.843 80.772,15.748 78.74,15.748 78.486,16.002 78.486,17.653 78.613,17.78 81.153,17.78 81.661,17.272 86.512,17.272 87.122,16.662 87.122,10.287 86.995,10.16 82.804,10.16
12V on L1 (TOP) "12V_L01_P001" (solid, pour order 1): 21.184,9.017 16.662,9.017 16.256,9.423 16.256,12.446 17.78,13.97 17.78,15.113 15.519,15.113 14.224,13.818 14.224,8.788 16.078,6.934 21.184,6.934
12V on L1 (TOP) "12V_L01_P000" (solid, pour order 0): 17.018,14.376 17.406,15.113 25.146,15.113 27.254,13.005 29.794,13.005 29.794,12.446 26.289,12.446 25.4,13.335 17.145,13.335 17.018,13.462
12V on L2 (PWR) (split plane): 14.581,76.505 14.59,76.44 14.615,76.379 14.655,76.326 14.708,76.286 14.768,76.261 14.834,76.253 23.395,76.253 23.395,16.002 23.404,15.937 23.429,15.876 23.469,15.824 23.521,15.784 23.582,15.758 23.647,15.75 29.059,15.75 29.059,0.51 0.51,0.51 0.51,85.85 14.581,85.85
3.3V_ESP on L2 (PWR) (split plane): 76.608,78.486 76.617,78.421 76.642,78.36 76.682,78.308 76.734,78.268 76.795,78.242 76.86,78.234 93.169,78.234 93.169,72.693 82.575,72.693 82.51,72.684 82.449,72.659 82.397,72.619 82.357,72.567 82.332,72.506 82.323,72.441 82.323,71.12 82.323,61.345 82.306,61.305 82.298,61.239 82.306,61.174 82.332,61.113 82.372,61.061 82.424,61.021 82.485,60.996 82.55,60.987 86.179,60.987 96.418,50.749 96.47,50.709 96.531,50.683 96.596,50.675 107.291,50.675 107.291,34.468 107.3,34.403 107.325,34.342 107.365,34.289 107.418,34.249 107.478,34.224 107.544,34.216 127.738,34.216 127.738,7.034 112.012,7.034 112.012,11.43 112.004,11.495 111.978,11.556 111.938,11.608 111.886,11.648 111.825,11.674 111.76,11.682 102.462,11.682 102.462,24.943 102.462,28.829 102.453,28.894 102.428,28.955 102.388,29.007 102.336,29.047 102.275,29.073 102.21,29.081 98.681,29.081 98.68,29.084 98.677,29.085 98.677,35.331 98.669,35.397 98.643,35.457 98.626,35.48 98.626,35.484 98.618,35.549 98.593,35.61 98.553,35.662 98.5,35.702 98.439,35.727 98.374,35.736 80.288,35.736 80.288,45.593 80.279,45.658 80.254,45.719 80.214,45.771 80.161,45.811 80.101,45.837 80.035,45.845 70.407,45.845 70.407,49.735 78.969,49.735 79.034,49.744 79.095,49.769 79.147,49.809 79.187,49.861 79.212,49.922 79.221,49.987 79.221,56.413 79.212,56.479 79.187,56.539 79.147,56.592 79.095,56.632 79.034,56.657 78.969,56.666 60.223,56.666 60.158,56.657 60.097,56.632 60.068,56.609 60.045,56.592 43.891,40.437 43.851,40.385 43.825,40.324 43.817,40.259 43.817,11.43 43.817,9.269 29.564,9.269 29.564,16.002 29.555,16.067 29.53,16.128 29.49,16.18 29.438,16.22 29.377,16.246 29.312,16.254 23.9,16.254 23.9,76.505 23.891,76.57 23.866,76.631 23.826,76.683 23.773,76.723 23.713,76.748 23.647,76.757 15.086,76.757 15.086,85.85 76.608,85.85
5V on L2 (PWR) (split plane): 112.09,39.472 159.51,39.472 159.51,0.51 29.564,0.51 29.564,8.765 44.069,8.765 44.134,8.773 44.195,8.799 44.247,8.839 44.287,8.891 44.313,8.952 44.321,9.017 44.321,11.178 101.854,11.178 101.919,11.186 101.98,11.212 102.032,11.251 102.084,11.212 102.144,11.186 102.21,11.178 111.508,11.178 111.508,6.782 111.516,6.717 111.542,6.656 111.582,6.603 111.634,6.563 111.695,6.538 111.76,6.53 127.991,6.53 128.056,6.538 128.117,6.563 128.169,6.603 128.209,6.656 128.234,6.717 128.243,6.782 128.243,34.468 128.234,34.533 128.209,34.594 128.169,34.646 128.117,34.686 128.056,34.711 127.991,34.72 107.796,34.72 107.796,50.927 107.787,50.992 107.762,51.053 107.722,51.105 107.67,51.145 107.609,51.171 107.544,51.179 96.701,51.179 86.462,61.418 86.41,61.458 86.349,61.483 86.284,61.492 82.828,61.492 82.828,71.12 82.828,72.189 93.421,72.189 93.486,72.197 93.547,72.222 93.6,72.262 93.64,72.315 93.665,72.376 93.673,72.441 93.673,78.486 93.665,78.551 93.64,78.612 93.6,78.664 93.547,78.704 93.486,78.73 93.421,78.738 77.113,78.738 77.113,85.85 112.09,85.85
4.4V on L2 (PWR) (split plane): 78.716,50.239 70.155,50.239 70.09,50.231 70.029,50.206 69.976,50.166 69.936,50.113 69.911,50.052 69.903,49.987 69.903,45.593 69.911,45.528 69.936,45.467 69.976,45.415 70.029,45.375 70.09,45.349 70.155,45.341 79.783,45.341 79.783,35.484 79.792,35.419 79.817,35.358 79.857,35.305 79.909,35.265 79.97,35.24 80.035,35.232 98.173,35.232 98.173,28.829 98.181,28.764 98.207,28.703 98.247,28.651 98.299,28.611 98.36,28.585 98.425,28.577 101.957,28.577 101.957,24.943 101.957,11.658 101.919,11.674 101.854,11.682 44.321,11.682 44.321,40.155 60.328,56.161 78.716,56.161
PGND on L3 (GND) (split plane): 112.09,39.446 159.51,39.446 159.51,0.51 112.752,0.51 112.752,27 112.744,27.065 112.718,27.126 112.678,27.178 108.741,31.116 108.689,31.156 108.628,31.181 108.563,31.189 64.414,31.189 64.349,31.181 64.288,31.156 64.236,31.116 59.822,26.701 59.782,26.649 59.756,26.588 59.748,26.523 59.748,0.51 0.51,0.51 0.51,85.85 29.248,85.85 29.248,70.604 27.822,69.178 27.802,69.152 27.782,69.126 27.781,69.126 27.769,69.095 27.756,69.065 27.752,69.032 27.748,69 27.757,60.762 27.757,60.427 27.766,60.361 27.791,60.301 27.831,60.248 27.883,60.208 27.944,60.183 28.009,60.174 57.582,60.174 57.647,60.183 57.708,60.208 57.76,60.248 57.8,60.301 57.825,60.361 57.834,60.427 57.834,69.68 57.834,85.85 112.09,85.85
SGND on L3 (GND) (split plane): 112.248,26.896 112.248,0.51 60.252,0.51 60.252,26.418 64.519,30.685 108.458,30.685
DGND on L3 (GND) (split plane): 57.33,69.68 57.33,60.679 28.261,60.679 28.261,60.762 28.252,68.896 29.678,70.322 29.718,70.374 29.744,70.435 29.752,70.5 29.752,85.85 57.33,85.85

## Keep-outs
Keep-Out Layer:
  lines w1: -0.127,-0.222 160.274,-0.222 160.274,86.614 -0.127,86.614 -0.127,-0.222

## Other copper
L2 (PWR) (plane layer: these items are gaps in the copper):
  rectangle: 112.09,39.472 160.147,86.208
  lines w0.5: 14.834,86.614 14.834,76.505 ; 14.859,76.53 14.834,76.505 ; 29.312,0 29.312,16.002 23.647,16.002 23.647,76.505 14.834,76.505 ; 29.388,9.017 44.069,9.017 44.069,11.43 ; 76.86,86.436 76.86,78.486 93.421,78.486 93.421,72.441 82.575,72.441 82.575,71.12 82.575,61.239 ; 82.55,61.239 86.284,61.239 96.596,50.927 107.544,50.927 107.544,34.468 127.991,34.468 127.991,6.782 111.76,6.782 111.76,11.43 102.21,11.43 102.21,24.943 102.21,28.829 98.425,28.829 ; 98.374,35.382 98.425,35.331 98.425,28.829 ; 98.374,35.484 80.035,35.484 80.035,45.593 70.155,45.593 70.155,49.987 78.969,49.987 78.969,56.413 60.223,56.413 44.069,40.259 44.069,11.43 ; 98.501,28.905 98.425,28.829 ; 101.854,11.43 44.069,11.43
L3 (GND) (plane layer: these items are gaps in the copper):
  rectangle: 112.09,39.446 160.147,86.36
  lines w0.5: 29.5,86.335 29.5,70.5 28,69 28.009,60.762 28.009,60.427 57.582,60.427 57.582,69.68 57.582,86.309 ; 60,0 60,26.523 64.414,30.937 108.563,30.937 112.5,27 112.5,0

## Silkscreen, mask and mechanical layers (free items; w line width, h text height)
Top Overlay:
  text "DUC ANH" at 92.64,82.301 h1.78
  text "AC OUT1" at 154.091,71.685 h1.5 r90
  text "BUTTON" at 4.093,71.413 h1.5 r90
  text "USER" at 70.034,61.346 h1.5
  text "RESET" at 30.664,57.917 h1.5
  text "SENSOR1" at 4.093,56.877 h1.5 r90
  text "AC OUT2" at 154.091,47.874 h1.5 r90
  text "SENSOR1" at 4.093,40.082 h1.5 r90
  text "GND" at 154.066,34.838 h1.5 r90
  text "DC OUT1" at 154.066,27.579 h1.5 r90
  text "GND" at 154.066,22.934 h1.5 r90
  text "GND" at 4.093,18.584 h1.5 r90
  text "DC OUT2" at 154.066,15.674 h1.5 r90
  text "12VDC" at 4.093,13.504 h1.5 r90
  text "GND" at 154.066,11.029 h1.5 r90
  text "DC OUT3" at 154.066,3.769 h1.5 r90

## Text inside footprints (layer, text, board x,y; h text height)
D1: Mechanical 2 "A" at 47.601,31.322 h1.2; Mechanical 2 "K" at 55.941,31.372 h1.2
D2: Mechanical 2 "K" at 11.764,29.015 h1.2; Mechanical 2 "A" at 6.164,29.015 h1.2
D3: Mechanical 2 "A" at 40.61,8.84 h1.2 r90; Mechanical 2 "K" at 40.56,17.18 h1.2 r90
D4: Mechanical 2 "A" at 6.527,7.936 h1.2; Mechanical 2 "K" at 12.127,7.936 h1.2
D7: Mechanical 2 "A" at 85.787,78.919 h1.2 r270; Mechanical 2 "K" at 85.787,73.319 h1.2 r270
ESD1: Mechanical 3 "1" at 98.68,22.77 h0.4 r180; Mechanical 3 "3" at 100.551,22.832 h0.4 r180; Mechanical 3 "4" at 100.551,21.735 h0.4 r180; Mechanical 3 "6" at 98.604,21.755 h0.4 r180
GSM1: Mechanical 1 "1" at 79.756,33.071 h1.2 r180; Mechanical 1 "2" at 77.216,33.071 h1.2 r180; Mechanical 1 "HD?" at 78.182,32.767 h0.8 r180
IC1: Mechanical 1 "1" at 37.49,52.959 h1.2; Mechanical 1 "3" at 32.41,52.959 h1.2; Mechanical 1 "OUT" at 31.704,50.513 h1; Mechanical 1 "VCC" at 36.104,50.513 h1; Mechanical 1 "GND" at 35.704,49.013 h1 r90
IC2: Mechanical 1 "GND" at 35.704,39.818 h1 r90; Mechanical 1 "VCC" at 36.104,41.318 h1; Mechanical 1 "OUT" at 31.704,41.318 h1; Mechanical 1 "3" at 32.41,43.764 h1.2; Mechanical 1 "1" at 37.49,43.764 h1.2
IC3: Mechanical 2 "28" at 77.746,73.738 h0.5 r180; Mechanical 2 "22" at 75.246,73.838 h0.5 r180; Mechanical 2 "21" at 74.246,73.738 h0.5 r90; Mechanical 2 "15" at 74.246,76.438 h0.5 r90; Mechanical 2 "14" at 75.346,77.538 h0.5 r180; Mechanical 2 "8" at 77.646,77.638 h0.5 r180; Mechanical 2 "7" at 78.246,76.738 h0.5 r90; Mechanical 2 "1" at 78.246,73.938 h0.5 r90
IC4: Mechanical 2 "42" at 77.262,24.501 h1; Mechanical 2 "34" at 77.262,15.701 h1; Mechanical 2 "33" at 76.212,15.251 h1 r270; Mechanical 2 "22" at 64.112,15.251 h1 r270; Mechanical 2 "21" at 62.312,15.751 h1; Mechanical 2 "13" at 62.312,24.401 h1; Mechanical 2 "12" at 64.162,28.001 h1 r270; Mechanical 2 "1" at 76.262,28.001 h1 r270
J6: Mechanical 2 "1" at 95.86,16.626 h0.3; Mechanical 2 "6" at 97.08,16.628 h0.3; Mechanical 2 "2" at 98.371,16.629 h0.3; Mechanical 2 "7" at 99.67,16.626 h0.3; Mechanical 2 "3" at 100.915,16.628 h0.3; Mechanical 2 "5" at 94.55,16.633 h0.3; Mechanical 2 "GND" at 92.927,14.038 h0.3 r90; Mechanical 2 "GND" at 92.927,1.436 h0.3 r90; Mechanical 2 "GND" at 109.361,1.436 h0.3 r90; Mechanical 2 "GND" at 109.361,14.038 h0.3 r90
JP1: Mechanical 2 "2" at 11.014,20.885 h1.2 r90; Mechanical 2 "1" at 11.014,16.005 h1.2 r90
JP2: Mechanical 2 "2" at 11.141,43.542 h1.2 r90; Mechanical 2 "1" at 11.141,38.662 h1.2 r90; Mechanical 2 "3" at 11.141,48.622 h1.2 r90
JP3: Mechanical 2 "3" at 11.141,65.416 h1.2 r90; Mechanical 2 "1" at 11.141,55.456 h1.2 r90; Mechanical 2 "2" at 11.141,60.336 h1.2 r90
JP4: Mechanical 2 "2" at 11.141,77.131 h1.2 r90; Mechanical 2 "1" at 11.141,72.251 h1.2 r90
JP5: Mechanical 2 "2" at 145.683,78.505 h1.2 r270; Mechanical 2 "1" at 145.683,83.385 h1.2 r270
JP6: Mechanical 2 "2" at 145.683,66.599 h1.2 r270; Mechanical 2 "1" at 145.683,71.479 h1.2 r270
JP7: Mechanical 2 "2" at 145.683,54.693 h1.2 r270; Mechanical 2 "1" at 145.683,59.573 h1.2 r270
JP8: Mechanical 2 "2" at 145.683,42.788 h1.2 r270; Mechanical 2 "1" at 145.683,47.668 h1.2 r270
JP9: Mechanical 2 "2" at 145.683,31.073 h1.2 r270; Mechanical 2 "1" at 145.683,35.953 h1.2 r270
JP10: Mechanical 2 "1" at 145.683,24.049 h1.2 r270; Mechanical 2 "2" at 145.683,19.169 h1.2 r270
JP11: Mechanical 2 "1" at 145.683,12.144 h1.2 r270; Mechanical 2 "2" at 145.683,7.264 h1.2 r270
Q1: Mechanical 2 "E" at 103.928,73.01 h0.5; Mechanical 2 "C" at 103.228,73.86 h0.5; Mechanical 2 "B" at 102.528,73.01 h0.5
Q2: Mechanical 2 "E" at 103.928,47.991 h0.5; Mechanical 2 "C" at 103.228,48.841 h0.5; Mechanical 2 "B" at 102.528,47.991 h0.5
Q3: Mechanical 2 "E" at 69.28,75.227 h0.4 r90; Mechanical 2 "B" at 69.38,77.227 h0.4 r90; Mechanical 2 "C" at 68.18,76.177 h0.4 r90
Q4: Mechanical 2 "C" at 68.18,71.097 h0.4 r90; Mechanical 2 "B" at 69.38,72.147 h0.4 r90; Mechanical 2 "E" at 69.28,70.147 h0.4 r90
Q5: Mechanical 1 "Q?" at 108.159,28.702 h0.4; Mechanical 1 "B" at 107.139,27.402 h0.4; Mechanical 1 "E" at 109.039,27.402 h0.4; Mechanical 1 "C" at 108.039,29.602 h0.4
Q6: Mechanical 1 "C" at 89.36,29.602 h0.4; Mechanical 1 "E" at 90.36,27.402 h0.4; Mechanical 1 "B" at 88.46,27.402 h0.4; Mechanical 1 "Q?" at 89.48,28.702 h0.4
RL1: Mechanical 2 "2" at 115.973,80.611 h1 r270; Mechanical 2 "1" at 115.973,70.511 h1 r270; Mechanical 2 "3" at 128.773,84.511 h1 r270; Mechanical 2 "4" at 131.173,66.711 h1 r270
RL2: Mechanical 2 "2" at 115.973,57.065 h1 r270; Mechanical 2 "1" at 115.973,46.965 h1 r270; Mechanical 2 "3" at 128.773,60.965 h1 r270; Mechanical 2 "4" at 131.173,43.165 h1 r270
U1: Mechanical 2 "8" at 39.513,28.952 h0.8 r270; Mechanical 2 "5" at 41.316,29.011 h0.8 r270; Mechanical 2 "4" at 38.998,29.011 h0.8 r270; Mechanical 2 "1" at 38.998,32.696 h0.8 r270
U2: Mechanical 2 "1" at 30.057,14.205 h0.8 r270; Mechanical 2 "4" at 30.057,10.52 h0.8 r270; Mechanical 2 "5" at 32.375,10.52 h0.8 r270; Mechanical 2 "8" at 30.572,10.461 h0.8 r270
U3: Mechanical 2 "1" at 75.196,57.289 h0.4; Mechanical 2 "3" at 77.097,57.294 h0.4; Mechanical 2 "4" at 77.068,58.413 h0.4; Mechanical 2 "5" at 75.177,58.375 h0.4
U4: Mechanical 2 "5" at 73.119,45.624 h0.4; Mechanical 2 "4" at 75.01,45.663 h0.4; Mechanical 2 "3" at 75.039,44.543 h0.4; Mechanical 2 "1" at 73.138,44.539 h0.4
U5: Mechanical 2 "38" at 57.879,84.459 h0.8 r90; Mechanical 2 "25" at 57.879,67.859 h0.8 r90; Mechanical 2 "24" at 54.179,67.459 h0.8; Mechanical 2 "15" at 42.779,67.459 h0.8; Mechanical 2 "14" at 41.179,68.059 h0.8 r90; Mechanical 2 "1" at 41.179,84.959 h0.8 r90
U6: Mechanical 2 "C" at 24.244,48.271 h0.8; Mechanical 2 "A" at 18.844,47.471 h0.8; Mechanical 2 "K" at 18.844,45.677 h0.8; Mechanical 2 "E" at 24.244,45.671 h0.8
U7: Mechanical 2 "C" at 24.244,63.943 h0.8; Mechanical 2 "A" at 18.844,63.143 h0.8; Mechanical 2 "K" at 18.844,61.349 h0.8; Mechanical 2 "E" at 24.244,61.343 h0.8
U8: Mechanical 2 "E" at 24.244,75.592 h0.8; Mechanical 2 "K" at 18.844,75.598 h0.8; Mechanical 2 "A" at 18.844,77.392 h0.8; Mechanical 2 "C" at 24.244,78.192 h0.8
U9: Mechanical 2 "E" at 126.867,27.315 h0.8; Mechanical 2 "K" at 121.467,27.32 h0.8; Mechanical 2 "A" at 121.467,29.115 h0.8; Mechanical 2 "C" at 126.867,29.915 h0.8
U10: Mechanical 2 "E" at 98.666,73.103 h0.8; Mechanical 2 "K" at 93.266,73.109 h0.8; Mechanical 2 "A" at 93.266,74.903 h0.8; Mechanical 2 "C" at 98.666,75.703 h0.8
U11: Mechanical 2 "C" at 126.867,20.072 h0.8; Mechanical 2 "A" at 121.467,19.272 h0.8; Mechanical 2 "K" at 121.467,17.478 h0.8; Mechanical 2 "E" at 126.867,17.472 h0.8
U12: Mechanical 2 "C" at 98.666,50.557 h0.8; Mechanical 2 "A" at 93.266,49.757 h0.8; Mechanical 2 "K" at 93.266,47.963 h0.8; Mechanical 2 "E" at 98.666,47.957 h0.8
U13: Mechanical 2 "E" at 126.867,7.63 h0.8; Mechanical 2 "K" at 121.467,7.635 h0.8; Mechanical 2 "A" at 121.467,9.43 h0.8; Mechanical 2 "C" at 126.867,10.23 h0.8
U14: Mechanical 2 "5" at 82.214,65.845 h0.4 r90; Mechanical 2 "4" at 82.176,67.736 h0.4 r90; Mechanical 2 "3" at 83.295,67.765 h0.4 r90; Mechanical 2 "1" at 83.3,65.864 h0.4 r90
USB1: Mechanical 2 "5" at 82.093,83.06 h0.8 r180; Mechanical 2 "1" at 84.493,83.06 h0.8 r180